# KiCad board polyPath.kicad_pcb (continued)
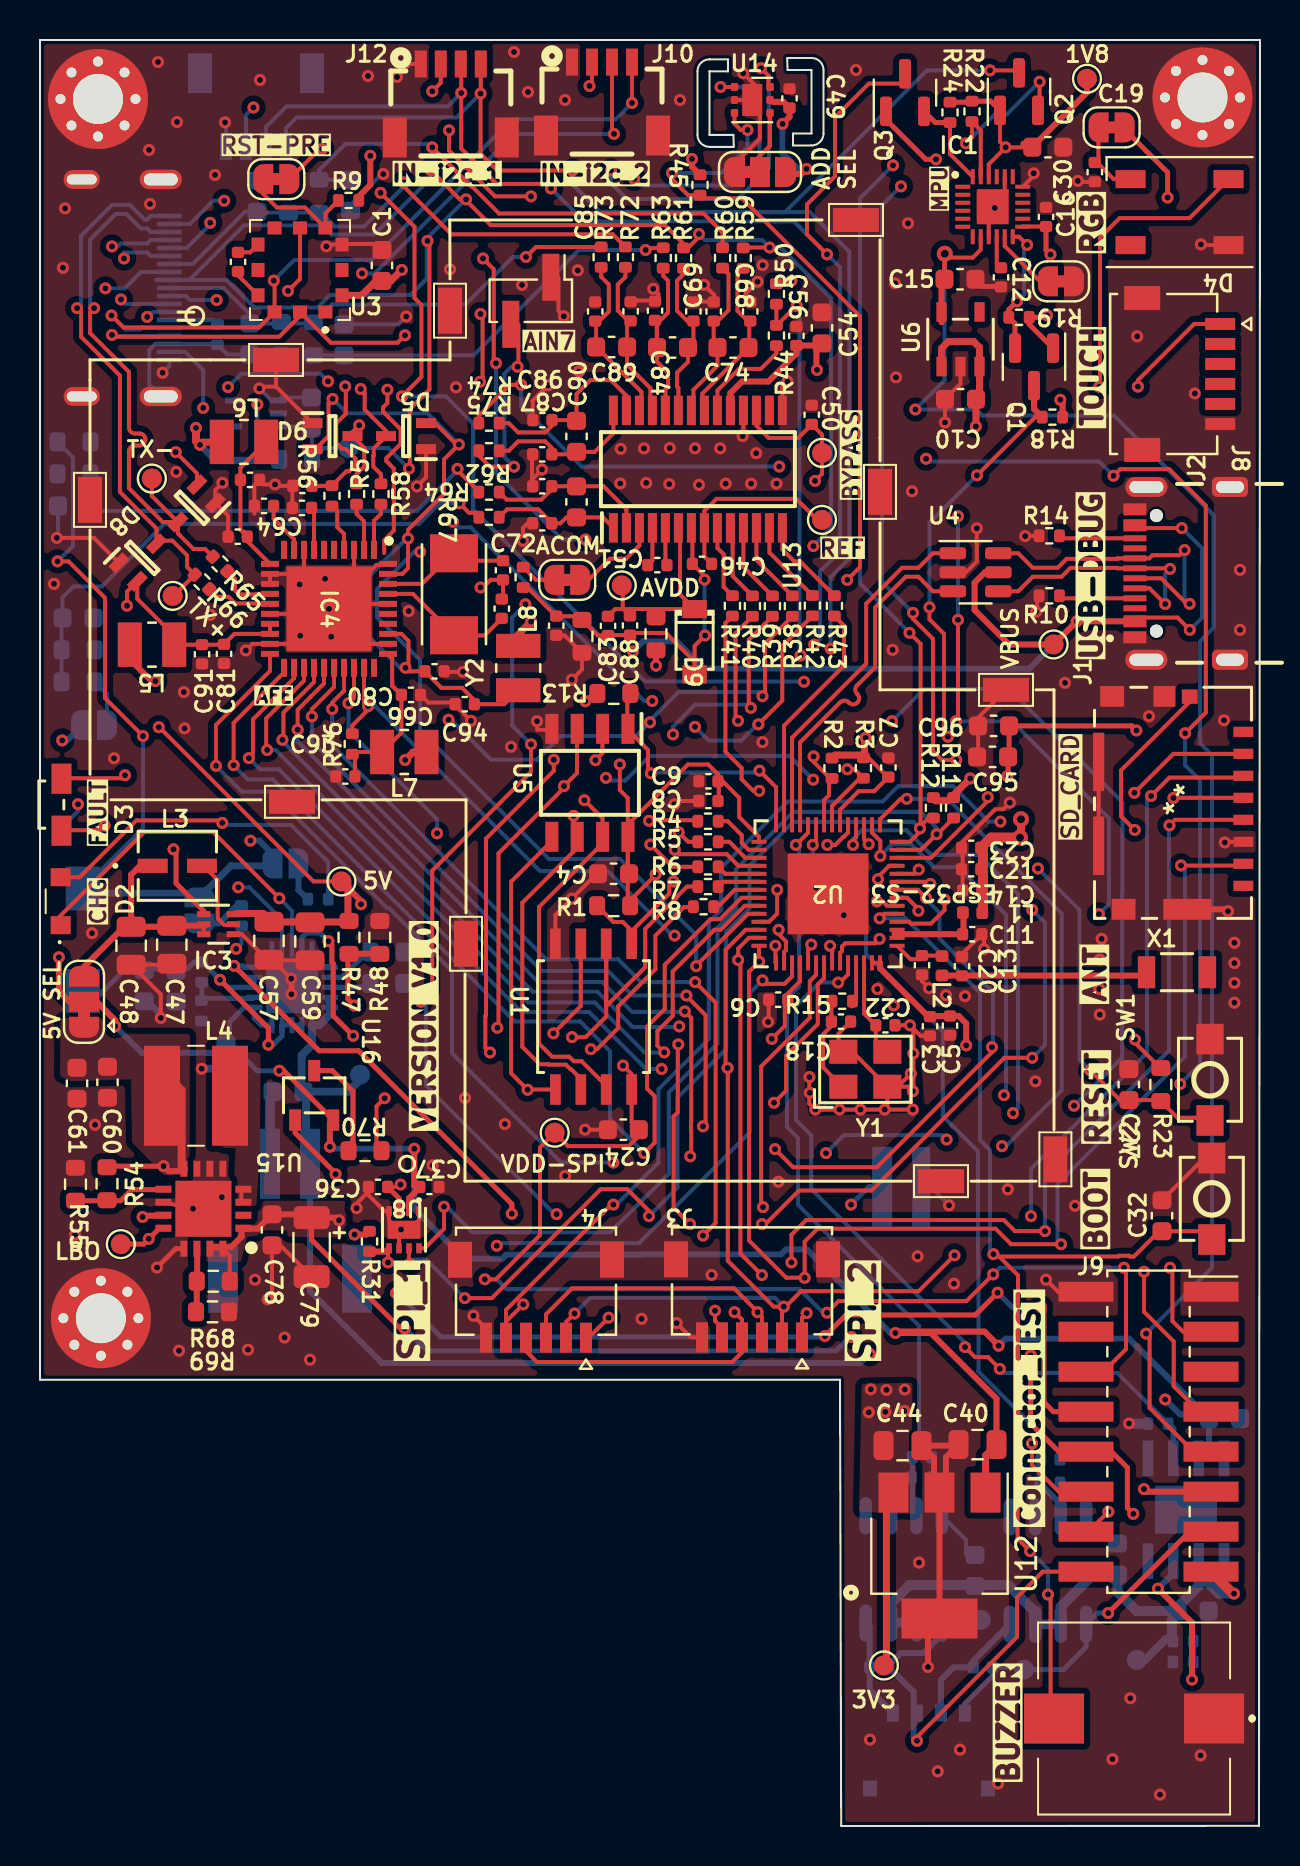
[diagram p0: board, top side]
## Nets (continued)
/TX-: D8.3 HDMI1.3 R65.1 TP14.1
/TX_CTRL_SUP: C65.2 C92.2 IC4.11 L6.1
/USB-C-_D+: J2.A6 J2.B6 U4.6
/USB-C-_D-: J2.A7 J2.B7 U4.4
/USB-VIN: 5V1.1 D1.2 J2.A4_B9 J2.B4_A9 JP3.1 JP4.1 R25.1 U4.5
/usb_D+: U2.26 U4.1
/usb_D-: U2.25 U4.3
/V-BAT-OUT: C29.1 C37.2 C39.1 C40.1 J9.11 JP6.2 JP7.2 U7.1 U7.20 U8.2 U11.3 U12.1 U16.2
/VCM: IC4.4 R56.2
/VCM_SHIELD: C62.2 R56.1
/VLIPO: C26.1 J5.1 J9.12 TP3.1 U7.14 U7.15 U7.16
/XTAL_N: R15.1 U2.53
/XTAL_P: C22.2 U2.54 Y1.3
Net-(C18-Pad2): C18.2 R15.2 Y1.1
Net-(C20-Pad2): C20.2 L2.2 X1.1
Net-(D1-C): C17.1 C25.1 D1.1 R16.1 U7.3 U7.4 U7.9 U7.17 U7.18 U7.19
Net-(D2-A): D2.2 R27.2
Net-(D2-K): D2.1 U7.8
Net-(D3-A): D3.2 R28.2
Net-(D3-K): D3.1 U7.7
Net-(D4-VDD): C30.2 D4.3 JP5.2
Net-(D7-A): D7.2 R70.1
Net-(IC1-FSYNC): IC1.11 JP2.1
Net-(IC1-REGOUT): C12.1 IC1.10
Net-(IC3-FB): IC3.1 R47.2 R48.1
Net-(IC3-SW): IC3.5 L3.2
Net-(IC4-BG): C63.2 IC4.7
Net-(IC4-TX_REF): C64.1 IC4.9
Net-(IC4-XIN): C67.2 IC4.38 Y2.1
Net-(IC4-XOUT): C77.1 IC4.37 Y2.2
Net-(J2-CC1): J2.A5 R10.2
Net-(J2-CC2): J2.B5 R14.2
Net-(JP1-A): JP1.1 U2.48
Net-(JP3-B): JP3.2 R27.1
Net-(JP4-B): JP4.2 R28.1
Net-(JP6-A): JP6.1 R29.1
Net-(JP8-C): JP8.2 U14.4
Net-(JP9-A): JP9.1 R67.1
Net-(U2-SPICLK): R6.2 U2.33
Net-(U2-SPID): R8.2 U2.35
Net-(U2-SPIHD): R4.2 U2.30
Net-(U2-SPIQ): R7.2 U2.34
Net-(U2-SPIWP): R5.2 U2.31
Net-(U3-VO+): C2.2 U3.4
Net-(U3-VO-): C2.1 U3.6
Net-(U7-PROG1): R20.2 U7.13
Net-(U7-PROG3): R21.2 U7.12
Net-(U7-THERM): NTC1.1 U7.5
Net-(U7-VPCC): R16.2 R17.1 U7.2
Net-(U9-OB): C34.1 J6.2 U9.4
Net-(U10-OB): C33.1 J6.4 U10.4
Net-(U11-FB): R36.2 R37.1 U11.7
Net-(U13-CAPN): C51.1 U13.5
Net-(U13-CAPP): C51.2 U13.4
Net-(U13-CS): R40.1 U13.10
Net-(U13-DIN): R38.2 U13.12
Net-(U13-DOUT/DRDY): R42.1 U13.13
Net-(U13-DRDY): R43.1 U13.14
Net-(U13-REFOUT): C46.1 TP9.1 U13.8
Net-(U13-RESET/PWDN): R44.1 U13.20
Net-(U13-SCLK): R39.2 U13.11
Net-(U13-START): R41.1 U13.9
Net-(U15-FB): R68.1 R69.2 U15.14
Net-(U15-LBI): R54.1 R55.2 U15.9
Net-(U15-SW_1): L4.2 U15.3 U15.4
Net-(U16-C): R70.2 U16.3

Pads without a net: D4 4; IC1 1 2 3 4 5 6 7 14 15 16 17 19 21; IC2 2 4 5; IC4 5 6 10 30 34 35; J1 P1 P8; J2 A8 B8; J8 2 3 4 5; J9 4 5; U3 1 5 7 11; U6 4; U7 6; U11 1 4 5; U13 16; U15 2; X1 NC

## Via types
v1: diameter 0.6, hole 0.3, Top to Bottom, 529 vias
v2: diameter 0.8, hole 0.4, Top to Bottom, 3 vias

## Routing (per net, layer and track width the routed paths; a pad name or vN(x,y) marks a point on that pad's centre or on a via; arc(x,y) is an arc through that point)
+1V8: length 130.7
  Top w0.2: 49.43,83.95 v1(48.28,83.95) ; v1(48.28,83.95) 47.44,83.1 IC1.22 ; v1(48.28,83.95) 48,84.23 Q2.1 ; R74.2 21.94,70.53 23.49,72.08 v1(24.06,72.08) ; v1(55.3,24.62) 55.48,24.45 55.48,20.92 57.68,18.72 J9.9 ; C16.1 49.15,79.99 IC1.13 ; IC1.8 47.04,78.84 46.64,78.44 45.43,78.44 v2(45.24,78.63)
  Top w0.25: v1(44.8,83.35) 44.29,83.35 42.3,85.34 Q3.1 ; Q2.1 47.54,86.26 R22.1 46.55,86.21 R24.1 ; Q1.1 49.46,75.1 R19.1 50.25,75.45 v1(50.35,75.55) ; v2(45.24,78.63) 45.22,78.62 C15.1 45.35,77.35 ; C16.1 50.3,78.81 v1(50.53,78.59)
  Top w0.3: 49.5,83.95 49.43,83.95 ; 45.07,75.2 U6.5 45.07,77.2 C15.1 ; TP2.1 52.35,86.7 49.78,84.13 49.17,84.13
  In2.Cu w0.2: v1(43.77,70.84) 41.25,70.84 38.4,67.99 v1(36.96,67.99)
  Bottom w0.2: v1(36.96,67.99) 27.08,67.99 24.06,71.01 v1(24.06,72.08) ; v2(45.24,78.63) 45.23,78.62 45.23,72.3 v1(43.77,70.84) 46.8,70.84 47.1,70.54 53.7,70.54 58.68,65.56 58.68,59.92 58,59.24 58,54.15 58.6,53.55 58.6,27.92 v1(55.3,24.62)
+3.3V: length 111.4
  Top w0.2: R50.2 37.42,77.13 v1(37.57,77.28) ; v1(18.03,32.08) 17.91,31.96 C36.1 ; J3.1 38.1,25.42 v1(38.33,25.65) ; 42.45,52.57 42.45,52.49 41.71,51.75 40.93,51.75 40,50.82 U2.20 ; J1.P4 56.68,51.42 v1(56.67,51.41) ; J12.2 20.04,87.18 v1(19.61,86.76) ; v1(36.59,39.36) 37.24,40.02 37.24,41.4 37.39,41.55 ; 27.3,24.12 27.3,24.29 v1(28.43,25.42) ; v1(27.47,87.02) 27.6,87.15 J10.2 ; U2.55 U2.56 ; J9.14 52.42,14.72 v1(53.42,15.72) ; U2.46 38,42.24 37.24,41.48 37.24,41.47 ; 44.44,40.51 44.35,40.6 ; 55.9,38.02 54.75,39.17 v1(54.75,39.33) ; 42.45,52.4 41.43,53.42 R3.1
  Top w0.25: v1(54.82,54.79) 54.59,55.02 C96.1 48.46,53.52 C95.1 48.4,52.54 v1(48.37,52.5) ; U8.3 17.95,31.39 C36.1
  Top w0.3: v1(5.77,57.26) 5.57,57.26 4.49,58.34 L5.2 ; R45.1 32.6,82.98 v1(32.6,83.37) ; U13.19 34.52,71.66 35.1,72.24 36.41,72.24 37.82,73.64 C56.2 38.82,74.04 38.82,72.85 v1(38.85,72.82) ; R9.2 15.94,81.49 16.51,82.07 v1(16.51,83.53) ; R31.1 16.31,29.58 v1(15.73,29.58) ; R18.1 51.13,71.21 v1(51.01,71.33) ; 37.2,82.62 38.07,82.62 v1(38.32,82.87) ; v1(46.31,39.04) 46.31,40.13 45.93,40.51 C5.2 ; C3.2 44.41,40.48 42,42.89 U2.56 ; v1(37.13,85.12) 37.47,85.47 C49.2 37.17,86.23 36.64,86.23 ; 45.37,40.51 44.44,40.51
  Top w0.35: v1(18.26,53.31) 18.66,53.71 L7.2 ; 42.68,16.67 42.32,16.32 42.32,8.16 TP7.1 ; v1(41.28,54.42) 41.23,54.37 41.23,53.36 41.03,53.56 39.75,53.56 R2.1 ; L6.2 9.07,69.2 8.13,69.2 v1(8,69.07) ; v1(24.56,60.23) 23.7,59.38 23.7,58.62 ; v1(46.79,70) 46.8,70 C10.1 46.98,71.53 U6.3 46.98,73.94 46.69,74.23 45.41,74.23 45.07,73.89 U6.1 ; U3.12 16.08,76.55 16.8,77.27 17.54,77.27 v1(18.09,77.82) ; 44.53,51.53 44.78,51.27 45.4,51.27 v1(46.51,52.39)
  Top w0.4: v2(49,49.43) 49.05,49.48 v2(49.05,50.35) ; v1(8,69.07) 7.8,69.27 v1(7.8,69.92)
  Top w0.5: 47.15,45.67 47.15,49.02 47.55,49.43 v2(49,49.43)
  In2.Cu w0.2: v1(56.67,51.41) 56.67,52.94 v1(54.82,54.79)
  Bottom w0.2: HDMI1.13 5.69,75.72 5.62,75.65 5.54,75.65 v1(5.36,75.47) ; v1(10.67,85.94) 10.3,85.57 10.3,84.3
  Bottom w0.3: v1(38.32,82.87) 37.9,82.87 37.11,83.66 37.11,85.11 v1(37.13,85.12)
  Bottom w0.35: R34.1 11.91,68.3 8.77,68.3 v1(8,69.07)
  vias: v1(41.44,20.69) v1(41.54,21.84) v1(42.27,20.71) v1(42.32,21.81) v1(43.24,21.83) v1(43.22,20.76)
+3.3VA: length 31.7
  Top w0.5: v1(59.7,11.62) 59.65,11.62 J9.15
  Bottom w0.4: 56.59,9.36 56.3,9.36 55.25,8.31 TP8.1
  Bottom w0.5: 57.03,10.75 56.59,10.32 56.59,9.36 ; 57.03,10.75 57.03,11.1 57.94,12 U11.6 57.94,12.63 58.95,11.62 v1(59.7,11.62) ; 57.03,10.75 54.84,10.75 53.87,11.72 C38.1 52.66,12.58 51.03,10.95 U9.2 U9.3 49.76,10.69 48.41,12.05 43.47,12.05 42.56,11.14 U10.3 42.58,10.18 43.4,10.18
+5V: length 218.7
  Top w0.2: v1(5.94,54.95) 5.97,54.95 13.68,47.24 TP11.1 ; U15.16 9.49,28.53 R68.2 ; IC3.6 9.96,45.6
  Top w0.25: C79.1 13.58,29.32 18.02,24.88 v1(18.24,24.88) ; v1(54.67,15.61) 54.37,15.9 54.37,17.92 53.57,18.72 J9.10 50.95,18.72 49.53,20.13 v1(49.53,23.54) ; v1(56.38,81.44) 56.38,82.7 54.22,84.86
  Top w0.3: TP11.1 16.05,46.26 v1(16.05,46.1) ; 13.42,30.59 C78.1 10.89,29.88 10.09,29.88 10.09,29.48 9.55,28.95 8.51,28.95 ; C79.1 14.82,30.43 v1(14.95,30.3) ; 9.43,27.48 9.49,27.42 ; v1(30.8,58.03) R77.2
  Top w0.35: 15.19,47.24 15.4,47.04 15.4,45.27 15.34,45.21 11.59,45.21 11.16,45.64 9.84,45.64
  In2.Cu w0.2: v1(8.16,70.92) 7.67,70.92 3.71,66.95 3.71,57.18 v1(5.94,54.95)
  In2.Cu w0.25: v1(56.38,81.44) 57.05,80.77 57.05,67.23 58.21,66.07 58.21,17.9 55.92,15.61 v1(54.67,15.61) ; v1(40.57,24.45) 41.43,25.31 47.79,25.31 49.53,23.57 v1(49.53,23.54)
  In2.Cu w0.3: v1(30.8,58.03) 30.8,58.03 26.28,58.03 16.05,47.8 v1(16.05,46.1) 18,44.15 18,34.43 14.95,31.38 v1(14.95,30.3)
  Bottom w0.2: 6.6,73.72 7.26,73.72 8.16,72.82 v1(8.16,70.92)
  Bottom w0.25: v1(40.57,24.45) 40.49,24.45 39.8,23.76 19.36,23.76 v1(18.24,24.88)
/2.5V: length 169.4
  Top w0.2: v1(36.48,78.94) 35.18,78.94 R59.2 ; v1(19.53,82.82) 21,81.35 v1(21.3,81.35) 21.3,81.3 22.54,80.06 31.24,80.06 32.39,78.91 32.95,79.47 v1(32.95,79.62) ; v1(19.38,79.27) 19.47,79.17 19.47,71.84 18.5,70.87 18.5,67.93 v1(18.45,67.88) ; J9.7 57.96,20.72 56.69,21.99 56.69,24.23 55.2,25.72 55.2,27.72 v1(55.2,27.72)
  In2.Cu w0.2: v1(4.05,76.34) 4.12,76.42 6.12,76.42 8.17,74.37 8.17,72.27 9.35,71.1 v1(10.87,71.1) ; v1(55.2,27.72) 55.2,28.72 53.17,30.75 53.17,33.09 53.18,33.1 53.18,34.54 v1(51.7,36.02) ; v1(42.6,55.25) 41.79,56.06 41.79,62.85 40.63,64.01 v1(38.67,64.01)
  Bottom w0.2: v1(21.3,81.35) 19.38,79.42 v1(19.38,79.27) 19.34,79.23 19.34,77.38 18.53,76.57 14.51,76.57 13.88,75.94 10.71,75.94 9.33,77.32 HDMI1.9 ; HDMI1.12 4.28,76.12 v1(4.05,76.34) 4.28,76.11 ; v1(38.67,64.01) 39.55,64.89 39.55,76.42 37.03,78.94 v1(36.48,78.94) 36.11,79.31 33.26,79.31 v1(32.95,79.62) ; v1(42.6,55.25) 44.21,56.86 48.45,56.86 54.12,51.19 54.12,46.78 54.11,46.77 54.11,38.43 v1(51.7,36.02) ; v1(18.45,67.88) 17.42,68.91 14.17,68.91 R34.2 13.61,69.86 C43.2 13.47,69.99 IC2.3 11.16,69.99 10.87,70.28 v1(10.87,71.1) ; v1(19.53,82.82) 19.53,82.4 16.72,79.59 14.57,79.59 14.11,80.05 10.2,80.05 7.47,77.32 HDMI1.9 ; 5.81,77.32 HDMI1.9
/AVDD: length 10.5
  Top w0.2: U13.6 32,64.84 32,61.59 D9.1 28.76,60.86 C83.2 ; 29.14,62.04 29.14,60.88 C88.2
/AVSS: length 18.7
  Top w0.2: v1(33.23,62.33) 33.23,62.51 C46.2 32.62,64.87 U13.7 ; R67.2 24.37,61.94 25.7,60.61 25.7,60.5 26.92,60.5 R71.2 27.88,59.54 C83.1 28.42,59.56 C88.1 29.61,59.67 31.29,59.67 32.73,58.23 D9.2 32.73,59.02 v1(33.25,59.54)
  Bottom w0.2: v1(33.23,62.33) 33.23,59.56 v1(33.25,59.54)
/VDD3P3: length 4.9
  Top w0.2: U2.3 U2.2
  Top w0.3: 46.18,45.67 46.18,44.64 C11.1 42.76,44.6 42.73,44.63
/VDD_SPI: length 96
  Top w0.2: U2.29 35.95,49.47 34.96,50.46 34.96,51.42 34.13,52.25 C9.2 ; 29.39,49.42 29.39,47.69 C4.1 ; 29.39,49.42 29.39,46.14 R1.2 29.51,46.29 30.78,47.56 v1(30.78,47.59) ; 29.39,49.42 29.39,51.41 28.99,51.81 v1(28.99,53.09) ; C9.2 33.9,52.6 33.41,53.09 32.4,53.09 29.37,50.06 29.37,49.42 ; C9.2 33.94,52.21 33.94,51.3 C8.1 ; 27.86,56.62 27.64,56.62 v1(27.26,56.25) ; v1(29.15,38.03) 29.58,37.6 U1.8 29.58,35.19 C24.1 29.94,34.51 29.43,34 26.41,34 TP1.1 25,33.94 25,29.55 22.79,27.34 v1(22.24,27.34) ; J9.6 53.18,22.72 54.3,23.84 54.3,27.92 ; v1(47.66,27.59) 46.32,26.25 39.93,26.25 v1(39.35,25.67)
  In2.Cu w0.2: v1(29.15,38.03) 29.57,38.45 29.57,46.38 v1(30.78,47.59) ; v1(28.99,53.09) 28.92,53.16 28.92,54.8 27.47,56.25 v1(27.26,56.25)
  Bottom w0.2: v1(22.24,27.34) 22.84,27.34 23.33,26.85 37.98,26.85 39.16,25.67 v1(39.35,25.67) ; v1(47.66,27.59) 47.99,27.92 v1(54.2,27.92)
GND: length 245.6
  Top w0.2: C57.2 11.48,43.29 C59.2 ; C57.2 11.37,43.32 10.09,44.6 IC3.4 ; C57.2 11.62,43.32 v1(12.56,42.38) ; v1(14.45,60.87) 14.2,60.62 IC4.16 ; v1(14.45,60.87) 16.06,59.26 16.06,59.15 16.17,59.15 16.2,59.12 IC4.32 ; v1(14.45,60.87) 13.23,62.09 v1(12.98,62.09) 12.98,62.34 12.7,62.62 IC4.12 IC4.13 ; v1(14.45,60.87) 13.2,62.12 IC4.8 ; v1(14.45,60.87) 14.7,61.12 IC4.36 ; v1(14.45,60.87) 15.7,62.12 IC4.3 ; v1(14.45,60.87) 14.63,60.87 16.83,63.07 16.99,63.07 17.04,63.12 IC4.40 ; v1(14.45,60.87) 13.11,59.53 v1(13.01,59.53) 13.01,59.43 12.7,59.12 IC4.19 10.62,59.12 v1(10.29,58.79) ; 22.3,24.12 22.3,24.89 v1(21.67,25.52) ; C77.2 23.15,61.42 C67.1 22.53,62.32 22.15,61.94 v1(22.03,61.94) ; v1(47.2,43.85) 47.2,44.49 C11.2 46.1,43.61 C20.1 ; U13.15 37.12,71.99 v1(37.37,72.24) ; C94.1 20.67,56.19 19.41,56.19 C80.1 ; C94.1 20.76,56.06 v1(21.54,55.27) ; C94.1 20.76,56 ; U14.2 U14.7 ; v1(43.65,36.75) 43.54,36.64 43.54,35.93 v1(43.64,35.83) v1(38.77,35.83) 38.46,36.13 38.46,36.64 v1(38.49,36.67) 38.46,36.7 38.46,37.45 v1(38.47,37.46) 38.46,37.47 ; v1(43.65,36.75) 43.67,36.77 43.67,39.77 43.54,39.89 ; v1(43.65,36.75) 43.42,36.97 Y1.2 ; v1(15.83,30.9) 15.83,31.13 16.42,31.72 16.42,31.55 17.22,30.75 U8.4 17.45,30.3 17.93,29.82 U8.9 ; v1(36.4,40.21) 36.43,40.24 36.43,41.32 36.28,41.47 ; C65.1 9.41,65.53 D8.1 8.77,66.82 v1(9.12,67.17) ; MP2.1 46.91,55.43 C96.2 46.91,53.52 C95.2 ; Y1.2 40.62,38.72 Y1.4 ; Y1.2 42.37,35.96 v1(42.24,35.83) ; Y1.2 42.89,36.97 v1(43.54,37.62) ; v1(21.15,57.72) 20.23,57.72 20.21,57.75 ; 52.86,82.22 51.94,82.22 v1(51.89,82.27) ; U8.9 18.47,29.82 18.95,30.3 U8.1 ; U8.9 18.21,29.83 v1(18.05,29.83) 18.05,29.67 17.95,29.57 U8.6 ; v1(58.04,79.1) 58.08,79.06 D4.1 ; v1(14.32,79) 14.41,79.09 U3.10 15.13,79.12 16.8,79.12 C1.2 ; JP8.1 34.7,83.1 36,84.4 36,86.4 ; D5.1 19.3,67.45 v1(18.85,67) ; v1(30.66,76.88) 30.92,76.62 30.92,76.29 29.85,76.29 29.8,76.24 ; C72.1 24.38,65.15 24.15,64.92 v1(24.15,64.27) 24.15,64.43 24.19,64.47 ; v1(31.72,51.1) 31.88,51.26 C8.2 ; v1(25.4,72.05) 24.62,71.27 24.64,71.25 C86.1 ; R14.1 49.27,64.52 v1(49.26,64.51) ; U4.2 46.3,62.7 46.84,63.24 v1(46.84,64.9) ; D10.1 2.7,64.42 v1(0.84,64.42) ; v1(10.97,71.89) 11.06,71.99 11.8,71.99 ; J3.6 32.54,24.44 v1(31.83,25.15) ; C22.1 v1(43.5,40.05) 44.02,39.52 C3.1 ; J9.2 50.9,26.72 v1(50.3,27.32) ; IC1.9 47.44,80.78 IC1.25 ; U6.2 46.03,72.13 C10.2 v1(45.25,70.19) ; v1(33.2,77.08) 33.71,76.56 33.71,76.29 33.66,76.24 32.64,76.24 ; v1(17.85,87.47) 18.5,88.12 J12.1 ; v1(11.38,26.34) 11.6,26.56 C78.2 12.02,29.04 C79.2 ; v1(25.1,67.84) 24.63,67.37 C73.2 24.6,67.03 24.6,68.61 ; U1.4 25.77,45.56 v1(26.59,46.38) 27.83,47.62 C4.2 ; 52.93,49.77 J1.14 J1.15 ; 25.7,59.54 26.23,59.54 R71.1 27.1,57.84 v1(26.59,57.33) ; C32.2 58.21,33.4 ; 57.06,45.89 57.06,45.84 57.05,45.85 ; IC1.20 48.24,81.58 IC1.25 ; J1.P6 59.27,49.22 v1(59.24,49.19) ; v1(24.85,55.25) 24.85,54.84 24.87,54.82 25.58,54.82 ; IC1.25 47.7,80.92 v1(47.74,80.92) 47.74,80.88 48.24,80.38 ; 51.85,77.14 51.81,77.18 ; U15.17 7.84,31.19 v1(7.65,30.87) 6.17,31.19 ; v1(35.88,77.23) 35.29,76.64 35.29,76.21 ; 11.8,71.99 MP10.1 ; 11.8,71.99 D6.1 ; 40.38,39.02 39.93,39.02 39.93,39.63 C18.1 ; v1(27.25,34.82) C24.2 ; v1(35.16,87.66) 35.77,87.04 35.77,86.63 ; 25.92,77.44 25.92,75.77 v1(26.19,75.5) ; C14.2 46.13,48.87 C23.2 46.08,49.17 47.76,50.85 48.16,50.85 v1(48.49,51.18) ; 53.87,45.85 53.87,45.97 ; v1(44.45,41.9) 44.1,42.25 C13.1 ; IC1.18 49.69,82.53 v1(49.69,82.65) ; v1(6.04,40.41) 6.04,41.59 C48.2 6.54,43.07 C47.2 ; 10.72,65.63 C64.2 10.72,67.06 C92.1 11.21,67.09 v1(11.75,67.09) 11.82,67.02 C62.1 12.62,67 C63.1 ; 49.85,61.52 49.85,60.77 v1(49.81,60.72) ; U13.18 35.17,69.55 v1(35.13,69.51) ; 35.75,86.23 35.97,86
  Top w0.25: C12.2 48.02,77 47.13,77 C15.2 ; 7.19,28.87 6.79,28.87 v1(5.85,27.93)
  Top w0.3: 44.97,16.67 45.3,17 45.3,18.45 C40.2 45.88,19.03 C44.2 44.7,18.4 44.7,16.95 44.97,16.67 ; 44.97,16.67 U12.4 44.4,9.8 v1(44.4,7.95) ; 59.43,78.99 59.45,78.97 59.45,78.81 ; v1(12.57,41.6) 12.57,42.37 v1(12.56,42.38) ; J1.G4 59.31,45.84 v1(59.4,45.75)
  Bottom w0.2: 11.92,71.3 IC2.1 ; IC2.1 11.57,71.29 v1(10.97,71.89) ; IC2.1 12.08,71.44 C43.1 ; C58.2 12.38,82.28 R52.2 ; 15.04,75.27 15.1,75.33 ; v1(45.45,31.04) 44.53,31.96 NTC1.2 ; R49.2 12.05,73.59 C55.2 9.35,73.59 R53.2 8.83,74.12 HDMI1.17 5.77,74.12 5.46,73.81 5.46,72.08 HDMI1.20 ; v1(6.13,72.68) 6.47,73.02 HDMI1.19 ; C28.2 0.9,64.48 v1(0.84,64.42) ; C52.2 17.92,75.1 v1(18.31,75.49) ; J11.1 9.3,85.15 v1(9.25,85.2) ; C53.2 15.52,81.05 17.09,82.62 v1(17.16,82.62) ; U10.8 46.3,14.31 46.3,13.59
  Bottom w0.3: U7.10 13.6,42.95 ; 13.6,42.95 13.03,42.38 v1(12.56,42.38) ; 13.6,42.95 U7.11 ; v1(12.57,41.6) 12.56,41.91 12.68,42.02 12.68,41.94 12.6,41.94 U7.21 ; 5.31,41.32 6.04,40.58 v1(6.04,40.41)
  Bottom w0.4: v1(8.09,37.87) 8.97,37.87 9.3,37.55
  Bottom w0.5: R35.2 54.5,20.12 ; J5.2 11.5,36.59 C26.2
  vias: v1(0.7,62.12) v1(1.15,77.93) v1(1.25,80.9) v1(1.75,29.57) v1(2.6,44.65) v1(2.75,35.07) v1(3.7,53.4) v1(5.45,83.82) v1(5.5,81.12) v1(5.9,88.22) v1(6.85,85.22) v1(6.81,67.72) v1(6.95,23.77) v1(7.19,56.71) v1(7.22,54.89) v1(8.51,60.57) v1(8.75,82.57) v1(9.09,31.45) v1(10.4,23.82) v1(10.75,27.32) v1(11,87.32) v1(12.23,24.43) v1(13.5,23.32) v1(14.25,62.37) v1(14.56,59.48) v1(16.4,87.52) v1(18.43,60.76) v1(19.63,33.04) v1(20.5,77.85) v1(20.8,71.95) v1(21.25,36.41) v1(23.25,35.1) v1(23.55,53.97) v1(23.7,88.72) v1(24.1,77.07) v1(24.4,86.72) v1(26.25,86.32) v1(26.26,32.51) v1(26.89,77.8) v1(26.95,72.75) v1(29.04,68.87) v1(29.01,67.14) v1(30.08,25.36) v1(30.2,68.89) v1(30.31,67.17) v1(31.49,68.91) v1(31.46,67.11) v1(32,86.32) v1(32.75,68.9) v1(32.95,67.07) v1(33.58,27.56) v1(34.01,68.9) v1(34.28,67.13) v1(35.56,67.13) v1(35.81,68.66) v1(36.13,78.06) v1(36.12,54.21) v1(36.82,67.13) v1(36.92,32.22) v1(38.8,46.93) v1(39.98,35.83) v1(40.19,45.55) v1(40.8,87.82) v1(41.03,35.83) v1(41.5,4.32) v1(41.87,41.86) v1(42.63,58.82) v1(42.69,41.04) v1(42.75,77.15) v1(42.8,72.45) v1(43.4,80.15) v1(43.6,66.75) v1(43.67,38.64) v1(43.88,28.49) v1(43.95,13.17) v1(44.89,2.73) v1(45.3,41.55) v1(45.7,27.12) v1(46,3.82) v1(46.25,41.5) v1(47.9,2.12) v1(48.39,31.84) v1(49.77,37.24) v1(51.25,57.17) v1(51.75,31.02) v1(52.99,43.33) v1(52.96,41.86) v1(52.99,40.58) v1(53.08,44.37) v1(53.62,3.34) v1(54.45,20.13) v1(54.51,6.39) v1(54.86,74.5) v1(55.45,55.5) v1(56,1.57) v1(57.74,71.64) v1(58.03,3.53) v1(59.2,55.3) v1(59.72,44.17) v1(59.72,43.16) v1(59.72,42.17) v1(59.72,41.17) v1(60,62.82) v1(60,59.82)
/AIN0: length 8.5
  Top w0.2: U13.21 33.22,71.31 33.12,71.41 33.12,71.64 C74.2 35.46,73.98 35.46,75.26 35.39,75.26 34.88,75.78 34.88,77.62 R59.1
/AIN1: length 8.3
  Top w0.2: U13.22 32.57,71.31 32.67,71.41 32.67,71.82 33.88,73.03 C74.1 33.68,74.13 33.68,75.25 33.87,75.25 34.42,75.8 34.42,77.62 R60.1
/AIN2: length 8.1
  Top w0.2: R61.1 32.18,77.61 31.85,77.28 31.85,75.78 32.39,75.24 32.67,75.24 32.67,74.21 C76.2 32.4,73.23 31.85,72.68 31.85,71.98 31.92,71.92 U13.23
/AIN3: length 9
  Top w0.2: U13.24 31.27,71.85 31.4,71.98 31.4,72.68 30.85,73.23 C76.1 ; C76.1 30.85,75.13 31.4,75.68 31.4,77.28 31.16,77.52 R63.1 ; C76.1 30.84,73.95 30.84,75.25
/AIN4: length 8.1
  Top w0.2: R72.1 29.27,77.47 28.89,77.09 28.89,75.79 29.48,75.2 29.48,75.19 29.35,75.06 C89.2 29.35,73.07 30.52,71.91 30.52,71.41 30.62,71.31 U13.25
/AIN5: length 8.7
  Top w0.2: R73.1 28.06,77.47 28.44,77.09 28.44,75.74 27.91,75.21 27.76,75.21 27.8,75.17 C89.1 27.83,73.97 30.07,71.72 30.07,71.41 29.97,71.31 U13.26
/AIN6: length 9.7
  Top w0.2: R74.1 23.44,70.16 23.91,69.69 25.26,69.69 25.6,70.03 C86.2 26.79,70.31 C90.2 26.83,71.62 27.52,72.31 28.54,72.31 29.32,71.53 U13.27
/AIN7: length 7.9
  Top w0.2: U13.28 28.67,69.65 27.73,68.71 27.72,68.72 C90.1 26.71,68.6 C87.1 25.59,68.92 25.26,69.25 23.91,69.25 23.44,68.78 R75.1
/AIN+: length 8.2
  Top w0.2: U13.2 29.32,65.86 28.18,67 25.73,67 25.06,66.33 23.34,66.33 R64.1
/AIN-: length 6.5
  Top w0.2: R62.1 23.36,65.85 24.91,65.85 25.61,65.15 26.02,65.15 26.32,65.44 28.15,65.44 U13.1
/AINCOM: length 4.6
  Top w0.2: U13.3 29.97,64.04 29.31,63.38 28.5,63.38 27.44,62.32 JP9.2
/BOOST1: length 11.7
  Top w0.2: IC3.2 IC3.3
  Top w0.3: 8.24,45.02 C47.1 6.54,44.97 C48.1 ; C48.1 4.2,44.97 2.2,42.97 JP7.3 ; C48.1 4.56,47.58 5,48.02 L3.1
/BOOST2: length 13
  Top w0.25: v1(6.17,33) 3.71,33 3.65,32.94
  Top w0.3: v1(6.17,33) 6.43,32.75 7.21,32.75 ; JP7.1 2.2,39.59 ; 6.29,30.52 5.19,30.52
  Top w0.4: 6.46,37.42 7.08,36.8 7.08,32.98 7.19,32.87
  In2.Cu w0.3: v1(6.17,33) 6.1,33 5.08,31.97 5.08,30.52 v1(5.13,30.46)
/BYPASS: length 72.8
  Top w0.2: v1(53.68,67.53) 54.01,67.86 56.46,67.86 58.29,66.03 58.29,55.68 v1(57.26,54.65) ; U13.17 35.82,70.03 36.43,69.42 37.91,69.42 C50.2 39.1,69.58 TP10.1 39.1,67.62 v1(38.75,67.27) ; J9.3 57.15,24.72 56.62,25.25 56.62,27.8 v1(56.5,27.92)
  In2.Cu w0.2: v1(38.75,67.27) 38.89,67.27 39.95,68.33 44.25,68.33 v1(44.3,68.38) ; v1(57.01,37.11) 57.01,36.01 56.62,35.62 56.62,28.04 v1(56.5,27.92)
  Bottom w0.2: v1(57.01,37.11) 58,38.1 58,52.3 57.26,53.04 v1(57.26,54.65) ; v1(53.68,67.53) 52.96,68.24 44.44,68.24 v1(44.3,68.38)
/GPIO-ADS-RESET: length 32.2
  Top w0.2: R50.1 36.82,75.03 37.81,76.02 v1(37.84,76.02) ; U2.19 40.4,49.67 40.2,49.47 40.17,49.47 39.77,49.07 v1(39.37,49.07)
  In2.Cu w0.2: v1(38.03,58.54) 37.47,57.98 37.47,51.95 39.37,50.05 v1(39.37,49.07)
  Bottom w0.2: v1(38.03,58.54) 37.97,58.59 37.97,75.89 v1(37.84,76.02)
/GPIO-ADS-START: length 17.4
  Top w0.2: v1(36.86,46.82) 36.86,45.63 36.45,45.22 U2.39 ; R41.2 34.27,60.16 34.27,53.73 35.08,52.92 35.08,52.35 35.66,51.77 v1(35.96,51.77)
  In2.Cu w0.2: v1(35.96,51.77) 35.96,47.72 v1(36.86,46.82)
/GPIO-AFE-ADC_RDY: length 42.5
  Top w0.2: v1(15.42,56.15) 15.7,56.43 IC4.28 ; U2.6 42.35,46.02 42.13,46.24 v1(41.85,46.24)
  In2.Cu w0.2: v1(41.85,46.24) 41.85,46.33 43.03,47.51 43.03,49.96 40.77,52.22 38.77,52.22 v1(38.66,52.33) ; v1(28.3,52.42) 28.03,52.69 22.22,52.69 19.85,50.32 v1(19.85,49.65)
  Bottom w0.2: v1(28.3,52.42) 28.44,52.28 29.25,52.28 30.49,53.52 37.47,53.52 v1(38.66,52.33) ; v1(19.85,49.65) 19.85,50.35 15.42,54.78 v1(15.42,56.15)
/GPIO-AFE-RESET: length 75
  Top w0.2: IC4.29 16.2,56.2 v1(16.4,56) 16.4,55.82 15.62,55.04 R76.2 ; v1(49.61,38.42) 48.22,38.42 41.58,31.78 37.95,31.78 36.27,30.1 v1(36.1,30.1) ; v1(32.5,30.1) 31.68,30.92 31.68,35.49 31.89,35.7 31.89,39.06 v1(31.92,39.09) ; U2.7 43.36,46.42 43.92,45.86 v1(43.92,45.77)
  In2.Cu w0.2: v1(36.1,30.1) 35.85,30.35 32.75,30.35 v1(32.5,30.1) ; v1(43.92,45.77) 43.96,45.73 49.52,45.73 v1(49.61,45.82) ; v1(31.92,39.09) 31.14,39.86 31.14,43.94 v1(31.73,44.53)
  Bottom w0.2: v1(16.4,56) 16.75,56 25,47.75 28.39,47.75 31.61,44.53 v1(31.73,44.53) ; v1(49.61,45.82) 50.25,45.18 50.25,39.06 v1(49.61,38.42)
/GPIO-AFE_PDN: length 70.3
  Top w0.2: v1(8.8,53.02) 8.8,55.06 11.5,57.76 IC4.20 ; U2.8 43.89,46.82 v1(44.31,46.4) ; v1(47.6,38.95) 47.6,38.7 41.85,32.95 37.65,32.95 v1(36.75,33.85)
  In2.Cu w0.2: v1(28.67,33.18) 29.85,34.36 36.24,34.36 v1(36.75,33.85)
  Bottom w0.2: v1(47.6,38.95) 47.65,39 47.65,41.7 44.98,44.37 44.98,45.66 44.31,46.33 v1(44.31,46.4) ; v1(28.67,33.18) 26.06,33.18 20.6,38.64 20.6,42.77 17.45,45.92 17.35,45.92 11.54,51.73 10.09,51.73 v1(8.8,53.02)
/GPIO-ALERT-TMP117: length 53.8
  Top w0.2: v1(35.38,84.82) 35.04,84.82 34.72,85.13 U14.3 ; v1(36.77,44.02) 36.77,43.2 U2.43 ; v1(31.6,82.67) 31.6,82.36 32.4,81.56 R45.2 33.16,81.4 35.1,81.4 41,75.5 41,62.96 v1(40.36,62.32)
  In2.Cu w0.2: v1(40.36,62.32) 36.86,58.82 36.86,51.12 37.04,50.94 37.04,47.8 37.53,47.31 37.53,44.52 37.03,44.02 v1(36.77,44.02)
  Bottom w0.2: v1(31.6,82.67) 34.08,82.67 35.38,83.96 v1(35.38,84.82)
/GPIO-DET_SD_CARD: length 28.7
  Top w0.2: J1.P9 57.49,56.23 54.05,52.79 54.05,50.5 v1(54.74,49.81) ; v1(38.56,44.08) 38.4,43.92 U2.47
  In2.Cu w0.2: v1(38.56,44.08) 38.56,44.15 39.03,44.62 40.88,44.62 41.73,43.77 43.46,43.77 44.89,45.19 50.12,45.19 v1(54.74,49.81)
/GPIO-DIAG_END: length 52.7
  Top w0.2: v1(30.21,33.65) 30.73,34.17 30.73,36.5 30.35,36.87 30.35,39.98 31.24,40.86 31.24,43.07 33.52,45.35 34,45.35 35.07,46.42 U2.36 ; IC4.21 12.2,57.69 9.68,55.17 v1(9.68,53.05)
  Bottom w0.2: v1(30.21,33.65) 28.5,35.36 28.5,38.74 27,40.24 23.74,40.24 11.64,52.34 10.39,52.34 v1(9.68,53.05)
/GPIO-DIN-RGB: length 65.5
  Top w0.2: U2.50 39.6,43.92 v1(39.5,44.02) ; D4.2 57.48,80.41 53.98,80.41 53,79.43 53,72.01 ; v1(45.8,55.25) 45.9,55.35 v1(45.9,60.32)
  In2.Cu w0.2: v1(52.96,71.97) 52.74,71.97 46.27,65.5 v1(45.9,65.5) ; v1(39.5,44.02) 39.58,44.1 40.72,44.1 41.58,43.23 50.58,43.23 v1(52.95,45.6)
  Bottom w0.2: v1(45.8,55.25) 48.59,55.25 53.45,50.4 53.45,46.1 v1(52.95,45.6) ; v1(45.9,65.5) v1(45.9,60.32)
/GPIO-DRDY-ADS: length 11.9
  Top w0.2: U2.27 37.2,52.39 37.2,52.39 37.2,55.03 40.15,57.98 40.2,57.98 40.2,60.03 R43.2
/GPIO-EOC-PRESSURE : length 55.7
  Top w0.2: U2.38 35.4,45.62 32.81,43.03 v1(32.81,43) ; U3.8 13,77.37 v1(12.4,76.77)
  In2.Cu w0.2: v1(19.01,63.72) 18.52,63.23 17.26,63.23 12.36,68.13 12.36,76.73 v1(12.4,76.77)